# Altium PCB MOTHERBOARD.PcbDoc (part 1 of 4)
Units mm, origin at the board's own origin, x right, y up, seen from the top; angles counter-clockwise.
Board outline 187 x 77 mm, 4 copper layers (Top Layer, Layer 1, Layer 2, Bottom Layer), stack 1.57 mm thick; 266 components, 248 nets, 1158 pads, 1379 vias.
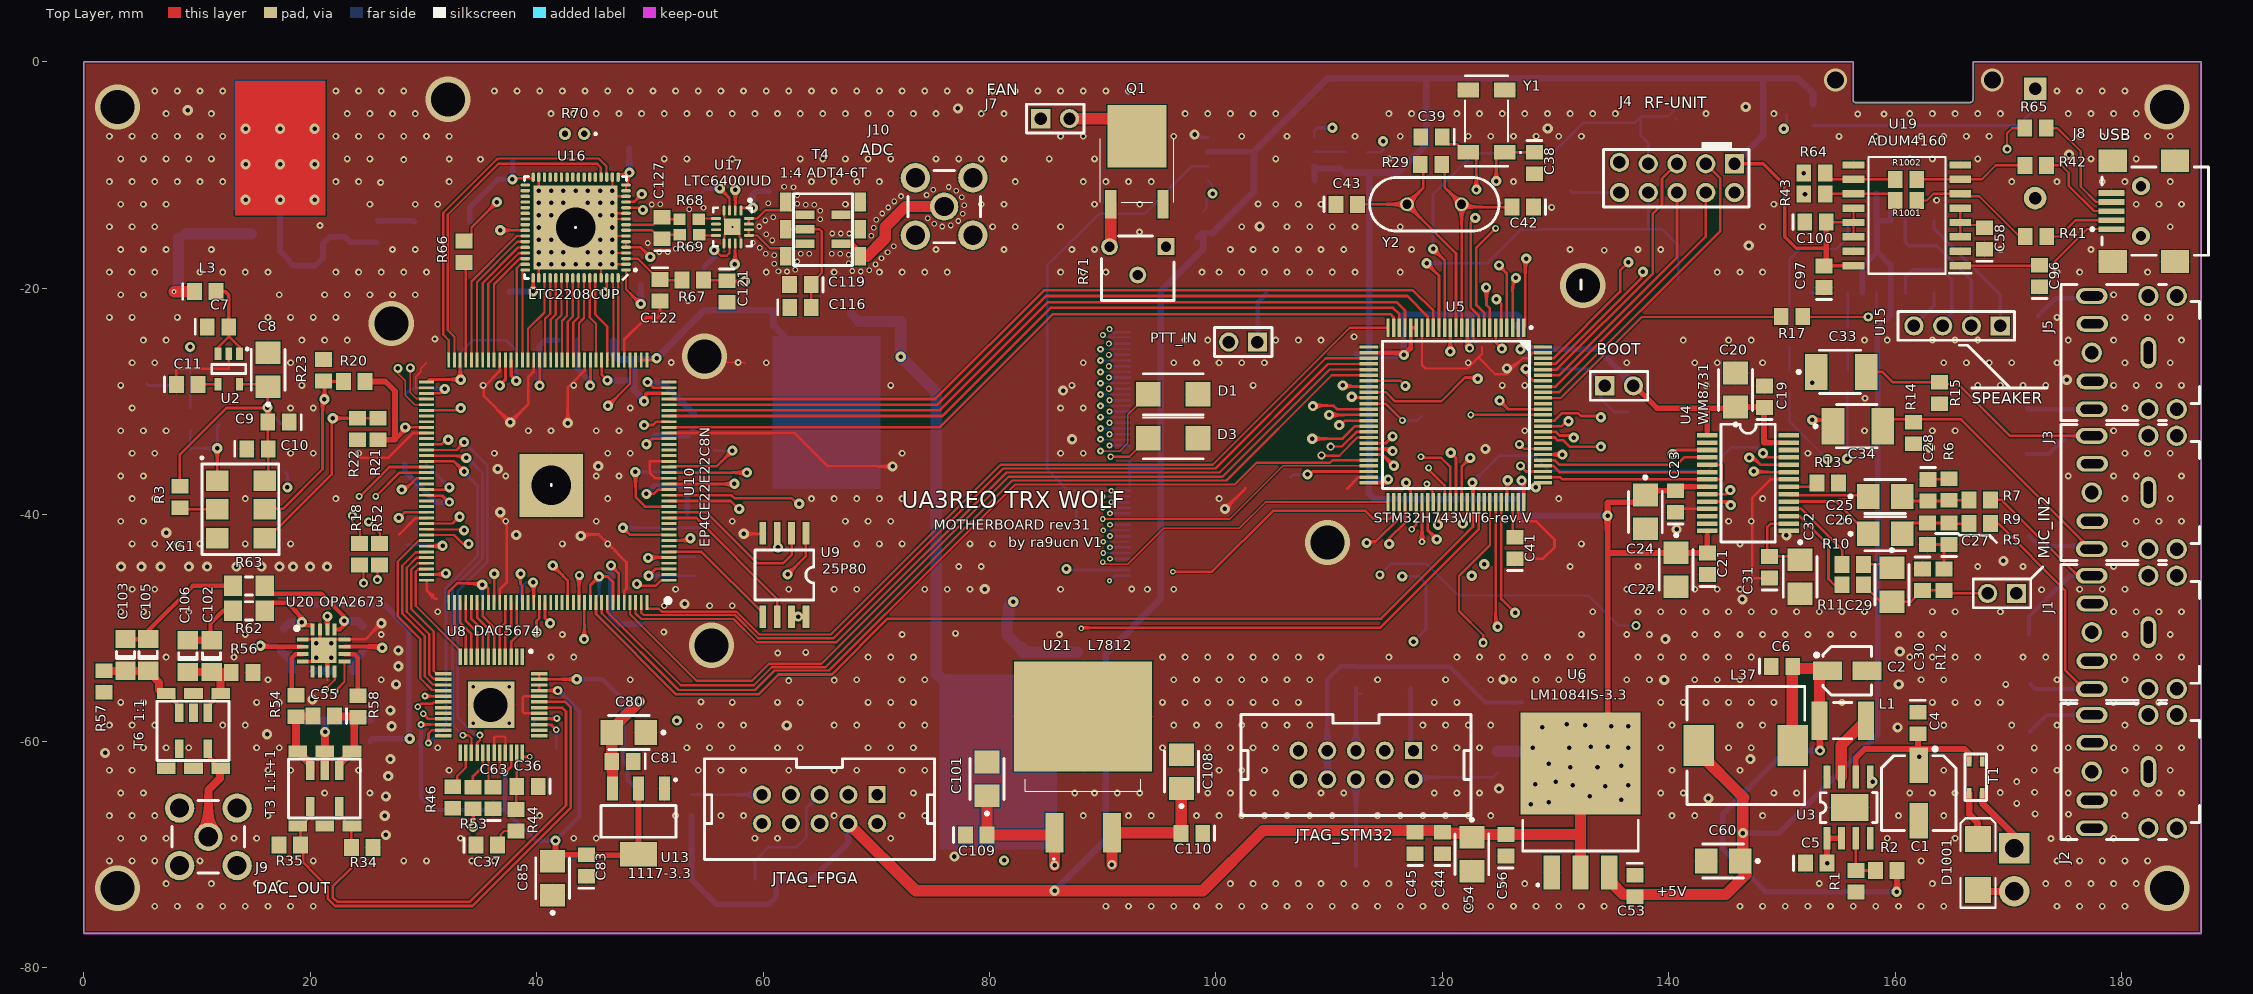
[diagram p0: Top Layer view]
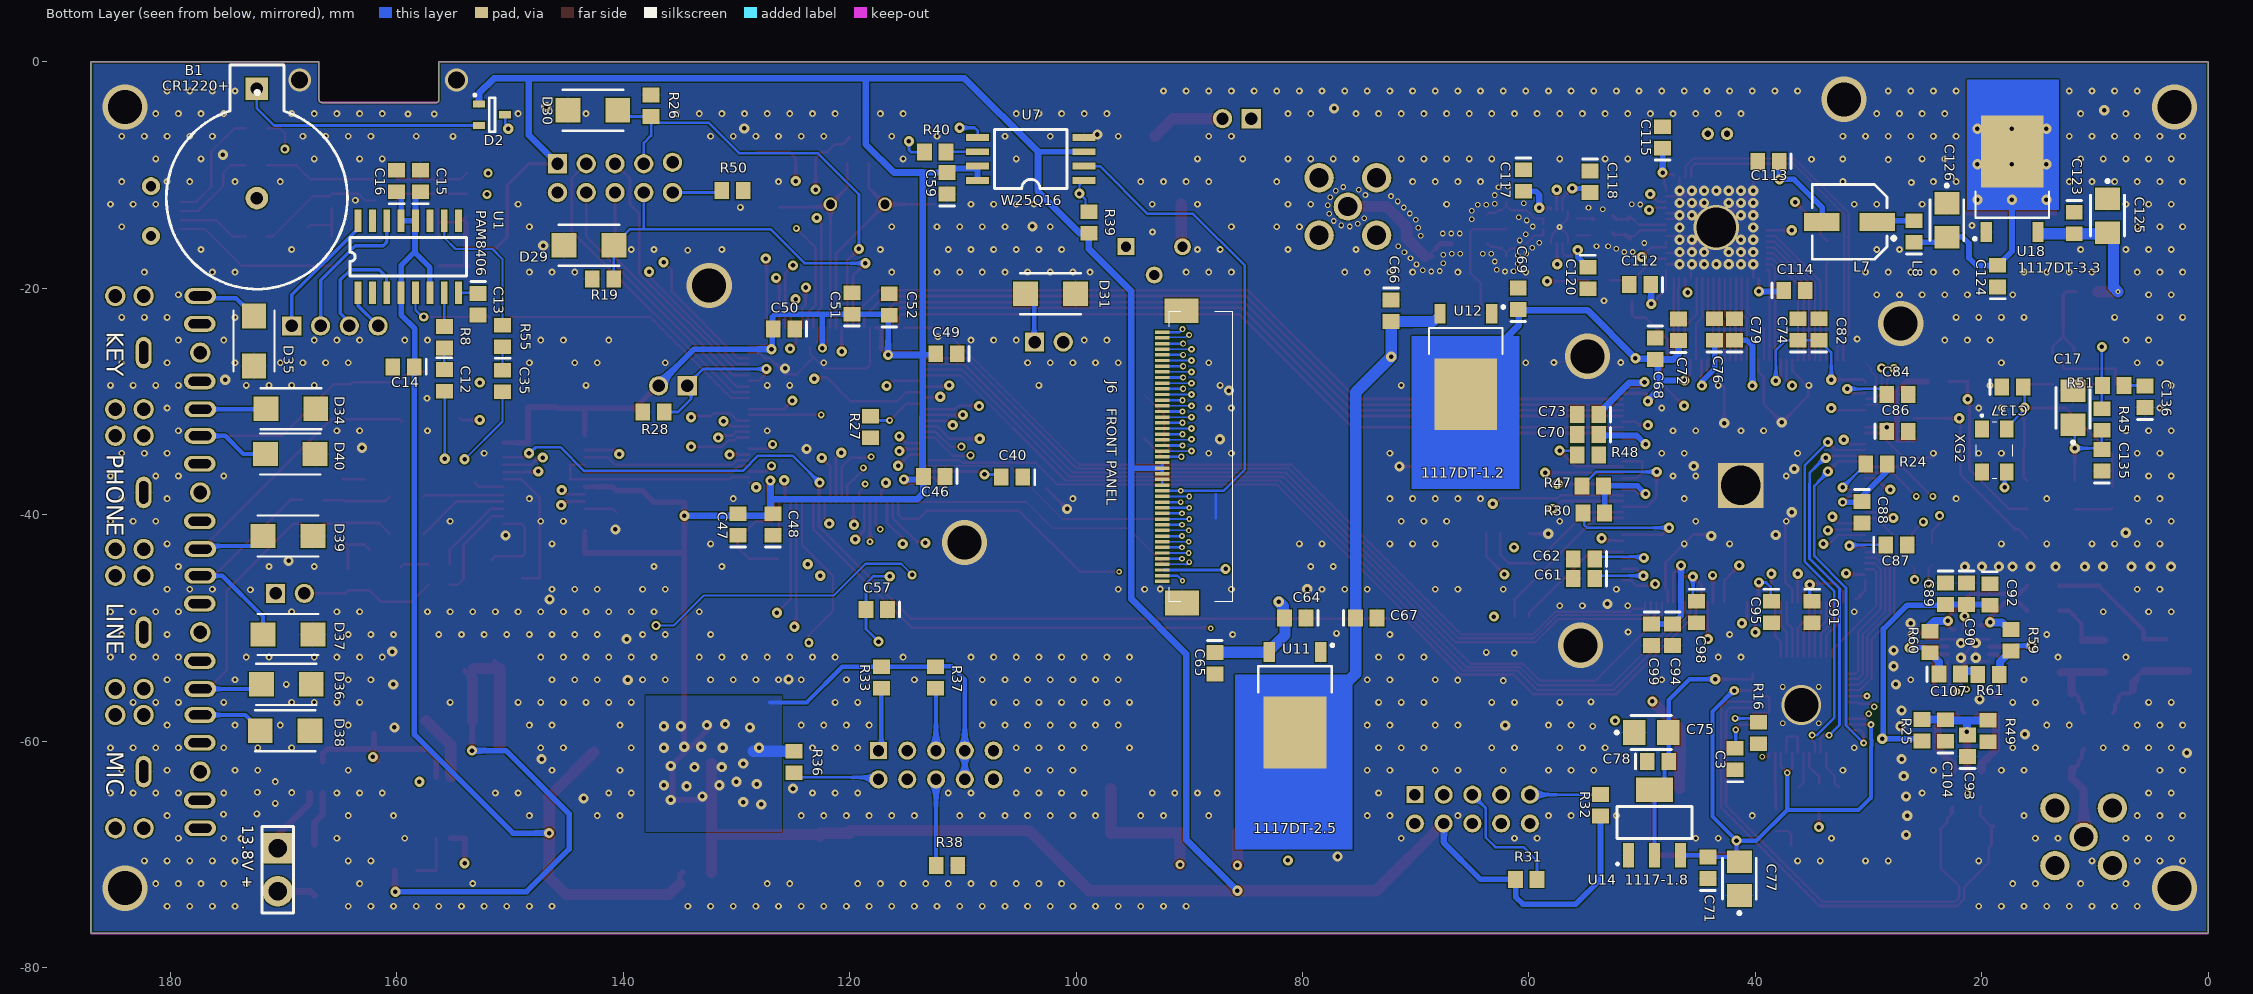
[diagram p1: Bottom Layer view, seen from below]
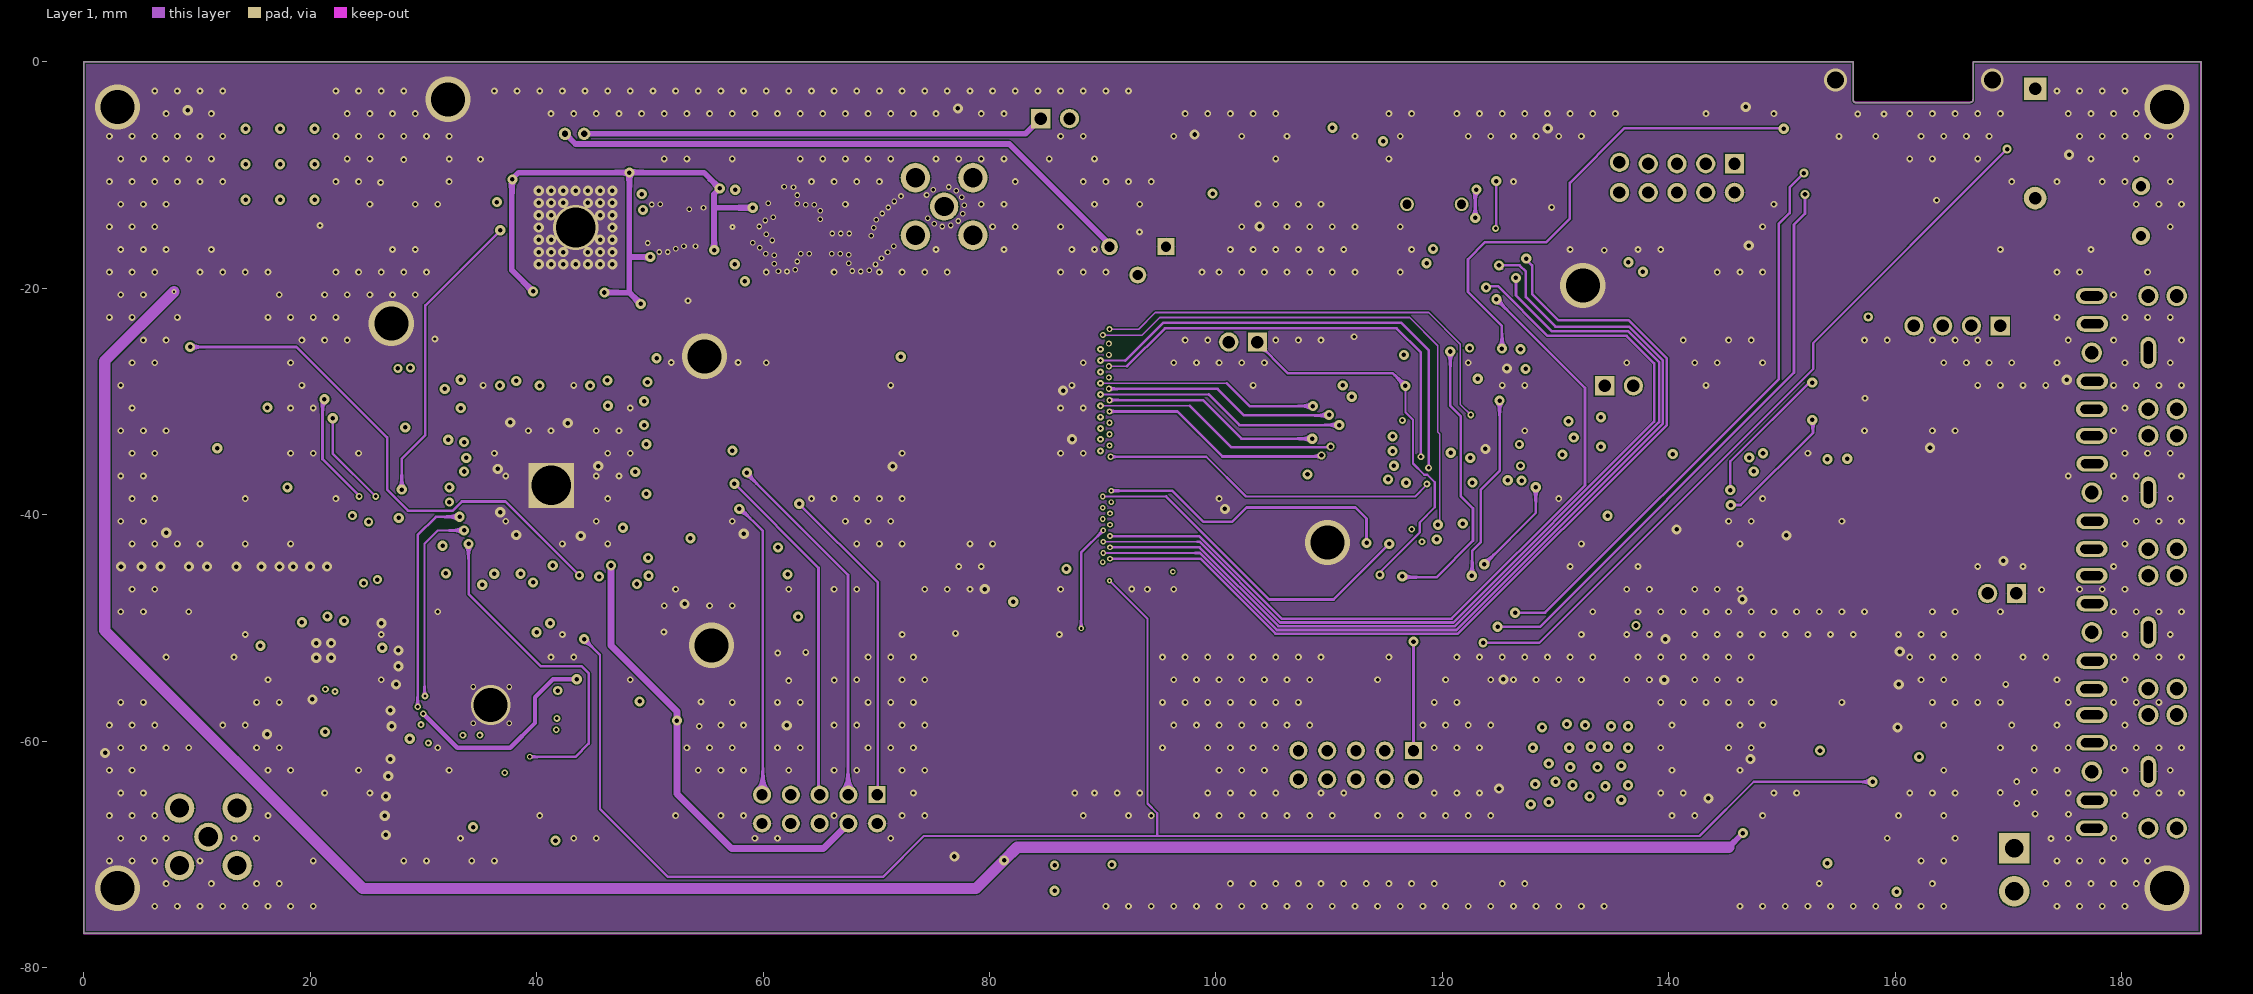
[diagram p2: Layer 1]
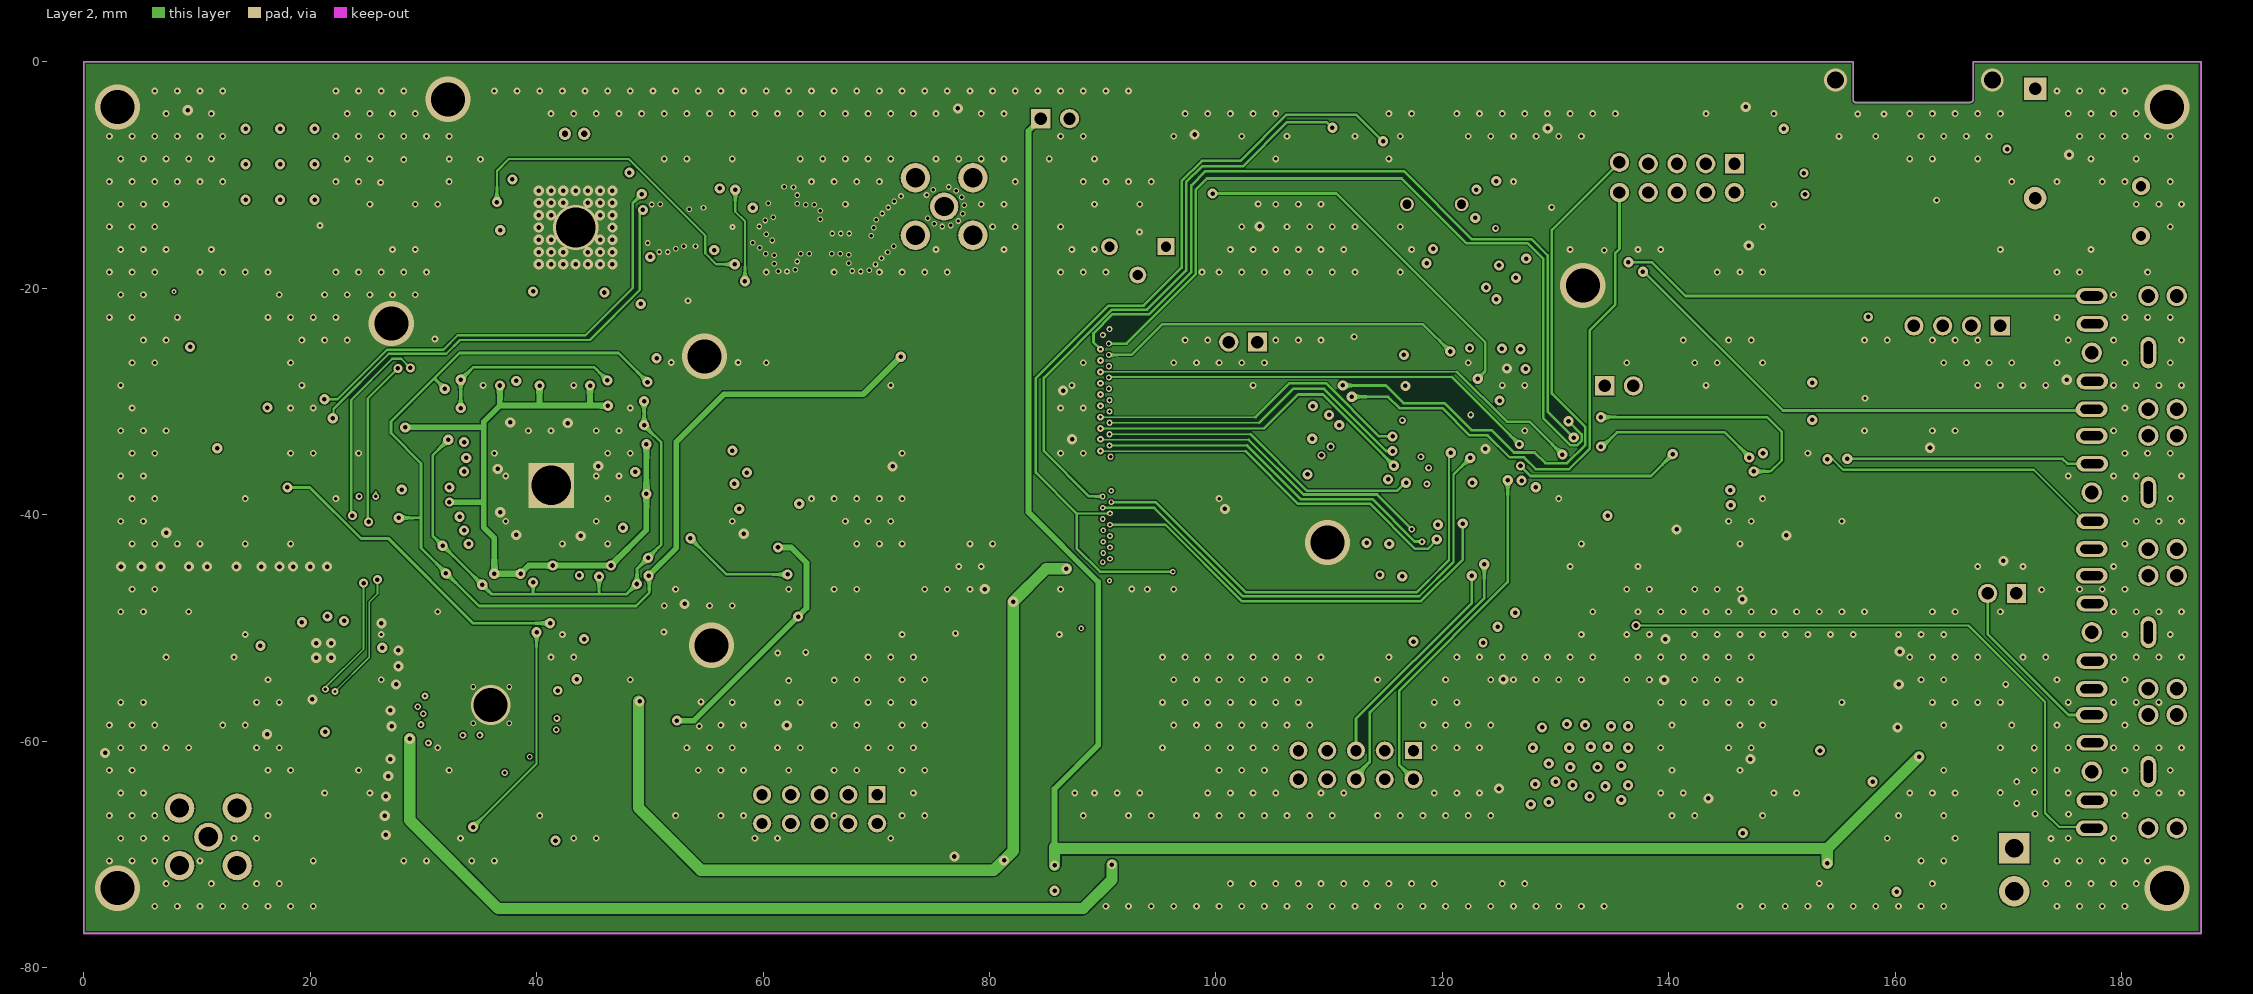
[diagram p3: Layer 2]

## Layer stack, top to bottom
Top Solder: solder mask 0.0102, Solder Resist, Dk 3.5
Top Layer: signal copper 0.035
Dielectric 2: dielectric 0.2, FR-4, Dk 4.1
Layer 1: signal copper 0.0175
FR4: dielectric 1.065, Dk 4.8
Layer 2: signal copper 0.0175
Dielectric3: dielectric 0.2, Dk 4.1
Bottom Layer: signal copper 0.035
Bottom Solder: solder mask 0.0102, Solder Resist, Dk 3.5

## Board outline
0,-77 0,0 156.275,0 156.275,-3.368 ccw(c156.525,-3.368) 156.525,-3.618 166.602,-3.618 166.62,-3.6 ccw(c166.62,-3.35) 166.87,-3.35 166.875,-3.345 166.875,0 187,0 187,-77

## Design rules (kind name [scope] priority, off if disabled: settings)
BoardOutlineClearance [All] p1: gap=0.2 ignorepadtopadclearanceinfootprint=FALSE
Clearance [All] p1: gap=0.102 ignorepadtopadclearanceinfootprint=FALSE except(0.127: Arc-Via Track-Via SMDPad-Via THPad-Via Via-Via Via-Fill Via-Poly Via-Region Via-Text; 0.25: Arc-Hole Track-Hole SMDPad-Hole THPad-Hole Via-Hole Fill-Hole Poly-Hole Region-Hole Text-Hole)
ComponentClearance [All] p1: gap=0.102 collisioncheckmode=3 verticalgap=0.102 showdistances=TRUE
DiffPairsRouting [All] p1: maxlimit=0.102 minlimit=0.102 mostfreqgap=0.102 toplayer_minwidth=0.102 toplayer_maxwidth=1816.048 toplayer_prefwidth=0.102 midlayer1_minwidth=0.102 midlayer1_maxwidth=1816.048 midlayer1_prefwidth=0.102 midlayer2_minwidth=0.102 midlayer2_maxwidth=1816.048 midlayer2_prefwidth=0.102 bottomlayer_minwidth=0.102 bottomlayer_maxwidth=1816.048 bottomlayer_prefwidth=0.102 maxuncoupledlength=12.7
Height [All] p1: minheight=0 maxheight=1816.048 prefheight=12.7
HoleSize [All] p1: absolutevalues=TRUE maxlimit=6.3 minlimit=0.2 maxpercent=80.000 minpercent=20.000
HoleToHoleClearance [All] p1: gap=0.25 allowstackedmicrovias=FALSE
MinimumAnnularRing [All] p1: minimumring=0.076
MinimumSolderMaskSliver [All] p1: minsoldermaskwidth=0
PlaneClearance [All] p1: clearance=0.102
PlaneConnect PlaneConnectPowerPads [InPadClass('PowerPads')] p1: planeconnectstyle=Direct reliefexpansion=0.508 reliefentries=4 reliefconductorwidth=0.254 reliefairgap=0.254
PlaneConnect [All] p2: pad.planeconnectstyle=Relief pad.reliefexpansion=0.3 pad.reliefentries=4 pad.reliefconductorwidth=0.102 pad.reliefairgap=0.102 via.planeconnectstyle=Direct via.reliefexpansion=0.3 via.reliefentries=4 via.reliefconductorwidth=0.127 via.reliefairgap=0.127
PolygonConnect PolygonConnectPowerPads [All vs (InPadClass('PowerPads'))] p1: connectstyle=Direct reliefconductorwidth=0.254 reliefentries=4 polygonreliefangle="90 Angle" airgapwidth=0.254
PolygonConnect [All] p2: thpad.connectstyle=Relief thpad.reliefconductorwidth=0.102 thpad.reliefentries=4 thpad.polygonreliefangle="90 Angle" thpad.airgapwidth=0.102 smdpad.connectstyle=Relief smdpad.reliefconductorwidth=0.102 smdpad.reliefentries=4 smdpad.polygonreliefangle="90 Angle" smdpad.airgapwidth=0.102 via.connectstyle=Direct via.reliefconductorwidth=0.127 via.reliefentries=4 via.polygonreliefangle="90 Angle" via.airgapwidth=0.127
RoomDefinition STM32 [InComponentClass('STM32')] p1: confinementstyle=ConfineIn formatcopy=TRUE lockcomponents=FALSE outline -47.719,-124.592 3.081,-124.592 3.081,-99.192 -47.719,-99.192
RoomDefinition POWER [InComponentClass('POWER')] p2: confinementstyle=ConfineIn formatcopy=TRUE lockcomponents=FALSE outline -47.719,-124.592 3.081,-124.592 3.081,-99.192 -47.719,-99.192
RoomDefinition DAC [InComponentClass('DAC')] p3: confinementstyle=ConfineIn formatcopy=TRUE lockcomponents=FALSE outline -47.719,-124.592 3.081,-124.592 3.081,-99.192 -47.719,-99.192
RoomDefinition CONNECTIONS [InComponentClass('CONNECTIONS')] p4: confinementstyle=ConfineIn formatcopy=TRUE lockcomponents=FALSE outline -47.719,-124.592 3.081,-124.592 3.081,-99.192 -47.719,-99.192
RoomDefinition CLOCK_GENERATOR [InComponentClass('CLOCK_GENERATOR')] p5: confinementstyle=ConfineIn formatcopy=TRUE lockcomponents=FALSE outline -47.719,-124.592 3.081,-124.592 3.081,-99.192 -47.719,-99.192
RoomDefinition "AUDIO CODEC" [InComponentClass('AUDIO CODEC')] p6: confinementstyle=ConfineIn formatcopy=TRUE lockcomponents=FALSE outline -47.719,-124.592 3.081,-124.592 3.081,-99.192 -47.719,-99.192
RoomDefinition ADC [InComponentClass('ADC')] p7: confinementstyle=ConfineIn formatcopy=TRUE lockcomponents=FALSE outline -47.719,-124.592 3.081,-124.592 3.081,-99.192 -47.719,-99.192
RoomDefinition FPGA [InComponentClass('FPGA')] p8: confinementstyle=ConfineIn formatcopy=TRUE lockcomponents=FALSE outline -47.719,-124.592 3.081,-124.592 3.081,-99.192 -47.719,-99.192
RoutingVias [All] p1: holewidth=0.2 width=0.45 viastyle="Through Hole" minholewidth=0.2 minwidth=0.45 maxholewidth=6.3 maxwidth=6.55
SilkToSilkClearance [All] p1: silktosilkclearance=0
SilkToSolderMaskClearance [IsPad] p1: minsilkscreentomaskgap=0 clearancetoexposedcopper=TRUE
SolderMaskExpansion [All] p1: expansion=0.075 istentingtop=FALSE
Width [All] p1: maxlimit=1816.048 minlimit=0.102 preferedwidth=0.102
20 further rules are at their usual default settings.

## Classes and differential pairs
component class STM32: B1 BOOT C38 C39 C40 C41 C42 C43 C51 C52 C57 C59 D2 JTAG_STM32 R27 R28 R29 R33 R36 R37 R38 R39 R40 U5 U7 Y1 Y2
component class POWER: "13.8V +" C1 C2 C4 C5 C6 C44 C45 C46 C47 C48 C49 C50 C53 C54 C56 C60 C64 C65 C66 C67 C68 C69 C101 C108 C109 C110 D1001 L1 L37 R1 R2 T1 U3 U6 U11 U12 U21
component class FPGA: C61 C62 C70 C72 C73 C74 C76 C79 C82 C84 C86 C87 C88 C91 C94 C95 C98 C99 JTAG_FPGA R24 R30 R31 R32 R47 R48 U9 U10
component class CONNECTIONS: C58 C96 C97 C100 D1 D3 D29 D30 D31 D34 D35 J4 J5 J6 J8 PTT_IN R19 R26 R41 R42 R43 R50 R64 R65 R1001 R1002 U19
component class CLOCK_GENERATOR: C7 C8 C9 C10 C11 C17 C135 C136 C137 L3 R3 R20 R21 R22 R23 R45 R51 U2 XG1 XG2
component class "AUDIO CODEC": C12 C13 C14 C15 C16 C19 C20 C21 C22 C23 C24 C25 C26 C27 C28 C29 C30 C31 C32 C33 C34 C35 D36 D37 D38 D39 D40 J1 J2 J3 MIC_IN2 MI§і_IN2 R5 R6 R7 R8 R9 R10 R11 R12 R13 R14 R15 R17 R55 U1 U4 U15
component class ADC: C112 C113 C114 C115 C116 C117 C118 C119 C120 C121 C122 C123 C124 C125 C126 C127 J7 J10 L7 L8 Q1 R66 R67 R68 R69 R70 R71 T4 U16 U17 U18
component class DAC: C3 C36 C37 C55 C63 C71 C75 C77 C78 C80 C81 C83 C85 C89 C90 C92 C93 C102 C103 C104 C105 C106 C107 J9 R16 R18 R25 R34 R35 R44 R46 R49 R52 R53 R54 R56 R57 R58 R59 R60 R61 R62 R63 T3 T6 U8 U13 U14 U20

## Components (designator, comment, footprint, x,y, rotation, side; value= is the part's Value field where it differs from the comment)
"13.8V +" "JX2" JX2 170.5,-71.375 r270 bottom
B1 "CR1220+" KLS5-CR1220-01 172.349,-12.054 r270 bottom value=CR1220
BOOT "" 51022-0200 135.6,-28 r0 top
C1 "4.7uF 16V" CAPAE_6.6x6.6h5.4 162.067,-64.514 r270 top
C2 "22uF 10V" CAPAE_4.3x4.3h5.4#1 155.75,-53.8 r0 top
C3 "100n" CAP_0805 41.8,-61.8 r90 bottom
C4 "100n" CAP_0805 162,-58.2 r270 top
C5 "100n" CAP_0805 152.819,-70.796 r0 top
C6 "100n" CAP_0805 149.8,-53.4 r0 top
C7 "1uF" CAP_0805 11.659,-23.428 r0 top
C8 "10uF 10V" CAPAE_4.3x4.3h5.4#2 16.3,-27.618 r90 top
C9 "100n" CAP_0805 17.421,-31.841 r180 top
C10 "470p" CAP_0805 15.15,-34.2 r0 top
C11 "1uF" CAP_0805 8.958,-28.505 r0 top
C12 "1uF" CAP_0805 155.8,-27.95 r270 bottom
C13 "1uF" CAP_0805 152.8,-21.225 r270 bottom
C14 "1uF" CAP_0805 159.189,-26.955 r0 bottom
C15 "1uF" CAP_0805 157.9,-10.75 r90 bottom
C16 "100n" CAP_0805 160,-10.75 r90 bottom
C17 "10uF 10V" CAPAE_4.3x4.3h5.4#2 11.954,-30.975 r90 bottom
C19 "100n" CAP_0805 148.45,-29.8 r90 top
C20 "10uF 10V" CAPAE_4.3x4.3h5.4#2 145.9,-29.4 r90 top
C21 "100n" CAP_0805 143.4,-44.55 r90 top
C22 "10uF 10V" CAPAE_4.3x4.3h5.4#2 140.65,-44.475 r270 top
C23 "100n" CAP_0805 140.6,-39.05 r90 top
C24 "10uF 10V" CAPAE_4.3x4.3h5.4#2 137.922,-39.37 r270 top
C25 "1uF 10V" CAPAE_4.3x4.3h5.4#2 158.7,-38.4 r0 top
C26 "1uF 10V" CAPAE_4.3x4.3h5.4#2 158.7,-41.7 r0 top
C27 "220p" CAP_0805 164.75,-41.9 r90 top
C28 "220p" CAP_0805 162.9,-37.65 r270 top
C29 "1uF 10V" CAPAE_4.3x4.3h5.4#2 159.7,-45.8 r270 top
C30 "220p" CAP_0805 162.4,-45.55 r270 top
C31 "100n" CAP_0805 148.9,-44.85 r90 top
C32 "10uF 10V" CAPAE_4.3x4.3h5.4#2 151.6,-45.1 r270 top
C33 "220uF 10V" EEEFC_sizeС 154.125,-27.4 r0 top
C34 "220uF 10V" EEEFC_sizeС 155.6,-32.2 r0 top
C35 "1uF" CAP_0805 150.65,-28 r270 bottom
C36 "NONE" CAP_0805 39.4,-64 r180 top
C37 "2.7n" CAP_0805 35.4,-69.2 r0 top
C38 "6pF" CAP_0805 128.125,-8.75 r270 top
C39 "6pF" CAP_0805 119.25,-6.65 r180 top
C40 "10uF" CAP_0805 105.449,-36.7 r0 bottom
C41 "10uF" CAP_0805 126.4,-43.15 r90 top
C42 "22p" CAP_0805 127.3,-12.85 r180 top
C43 "22p" CAP_0805 111.35,-12.6 r0 top
C44 "100n" CAP_0805 120,-69.2 r90 top
C45 "100n" CAP_0805 117.6,-69.2 r90 top
C46 "100n" CAP_0805 112.325,-36.625 r0 bottom
C47 "100n" CAP_0805 129.85,-41.075 r90 bottom
C48 "100n" CAP_0805 126.775,-41.075 r90 bottom
C49 "100n" CAP_0805 111.25,-25.8 r0 bottom
C50 "10uF" CAP_0805 125.6,-23.6 r0 bottom value=1uF
C51 "100n" CAP_0805 119.8,-21.55 r90 bottom
C52 "10uF" CAP_0805 116.5,-21.65 r90 bottom
C53 "100n" CAP_0805 137,-72.6 r270 top
C54 "10uF 10V" CAPAE_4.3x4.3h5.4#2 122.6,-69.6 r270 top
C55 "7.5p" CAP_0805 21.4,-57.8 r180 top
C56 "100n" CAP_0805 125.6,-69.4 r90 top
C57 "100n" CAP_0805 117.4,-48.375 r0 bottom
C58 "100n" CAP_0805 167.875,-15.825 r90 top
C59 "100n" CAP_0805 111.395,-10.945 r90 bottom
C60 "10uF 10V" CAPAE_4.3x4.3h5.4#2 145.2,-70.6 r180 top
C61 "100n" CAP_0805 54.95,-45.65 r0 bottom
C62 "100n" CAP_0805 54.95,-43.925 r0 bottom
C63 "10n" CAP_0805 36.15,-65.225 r90 top
C64 "10uF" CAP_0805 80.45,-49.125 r0 bottom
C65 "100n" CAP_0805 87.75,-52.925 r270 bottom
C66 "10uF" CAP_0805 72.175,-21.8 r270 bottom
C67 "100n" CAP_0805 74.575,-49.125 r180 bottom
C68 "10uF" CAP_0805 48.85,-25.15 r270 bottom
C69 "100n" CAP_0805 60.95,-21.15 r90 bottom
C70 "100n" CAP_0805 54.6,-32.95 r0 bottom
C71 "100n" CAP_0805 44.2,-71.4 r90 bottom
C72 "100n" CAP_0805 46.8,-23.875 r90 bottom
C73 "100n" CAP_0805 54.6,-31.175 r0 bottom
C74 "100n" CAP_0805 36.241,-23.849 r90 bottom
C75 "10uF 10V" CAPAE_4.3x4.3h5.4#2 49.598,-59.251 r180 bottom
C76 "100n" CAP_0805 43.634,-23.851 r90 bottom
C77 "10uF 10V" CAPAE_4.3x4.3h5.4#2 41.425,-72.55 r90 bottom
C78 "100n" CAP_0805 48.8,-61.8 r180 bottom
C79 "100n" CAP_0805 41.851,-23.849 r90 bottom
C80 "10uF 10V" CAPAE_4.3x4.3h5.4#2 48.55,-59.25 r180 top
C81 "100n" CAP_0805 47.8,-61.8 r180 top
C82 "100n" CAP_0805 34.378,-23.849 r90 bottom
C83 "100n" CAP_0805 44.4,-71.2 r90 top
C84 "100n" CAP_0805 27.658,-29.385 r180 bottom
C85 "10uF 10V" CAPAE_4.3x4.3h5.4#2 41.425,-72.525 r90 top
C86 "100n" CAP_0805 27.658,-32.648 r180 bottom
C87 "100n" CAP_0805 27.755,-42.674 r180 bottom
C88 "100n" CAP_0805 30.6,-39.6 r270 bottom
C89 "100n" CAP_0805 23.209,-46.801 r270 bottom
C90 "470p" CAP_0805 21.35,-46.8 r270 bottom
C91 "100n" CAP_0805 35,-48.4 r270 bottom
C92 "1uF" CAP_0805 19.3,-46.85 r270 bottom
C93 "100n" CAP_0805 21.275,-60.625 r90 bottom
C94 "100n" CAP_0805 47.311,-50.421 r270 bottom
C95 "100n" CAP_0805 38.6,-48.4 r270 bottom
C96 "100n" CAP_0805 172.75,-19.125 r90 top
C97 "100n" CAP_0805 153.7,-19.2 r90 top
C98 "100n" CAP_0805 45.2,-48.4 r270 bottom
C99 "100n" CAP_0805 49.177,-50.421 r270 bottom
C100 "100n" CAP_0805 152.75,-14.175 r0 top
C101 "10uF 20V" CAPAE_4.3x4.3h5.4#2 79.775,-63.75 r90 top
C102 "1uF" CAP_1206 11.3,-52.5 r90 top
C103 "1uF" CAP_1206 3.7,-52.4 r90 top
C104 "470p" CAP_0805 23.225,-59.275 r90 bottom
C105 "680p" CAP_1206 5.7,-52.4 r90 top
C106 "680p" CAP_1206 9.2,-52.5 r90 top
C107 "100n" CAP_0805 23.05,-54.1 r180 bottom
C108 "10uF 20V" CAPAE_4.3x4.3h5.4#2 96.95,-63.1 r90 top
C109 "100n" CAP_0805 78.625,-68.3 r0 top
C110 "100n" CAP_0805 98.075,-68.15 r180 top
C112 "100n" CAP_0805 50,-19.7 r0 bottom
C113 "100n" CAP_0805 38.65,-8.8 r0 bottom
C114 "100n" CAP_0805 36.75,-20.2 r180 bottom
C115 "100n" CAP_0805 48.2,-6.9 r90 bottom
C116 "470p" CAP_0805 63.1,-21.7 r0 top
C117 "100n" CAP_0805 60.5,-10.3 r270 bottom
C118 "100n" CAP_0805 54.6,-10.4 r270 bottom
C119 "1uF" CAP_0805 63.5,-19.7 r180 top
C120 "100n" CAP_0805 54.8,-18.9 r270 bottom
C121 "1uF" CAP_0805 56.8,-20.1 r270 top
C122 "1uF" CAP_0805 50.9,-20 r270 top
C123 "100n" CAP_0805 11.846,-14.05 r270 bottom
C124 "100n" CAP_0805 18.604,-19.146 r90 bottom
C125 "22uF 10V" CAPAE_4.3x4.3h5.4#2 8.895,-13.202 r270 bottom
C126 "22uF 10V" CAPAE_4.3x4.3h5.4#2 23.1,-13.6 r270 bottom
C127 "10p" CAP_0805 51.1,-14.9 r90 top
C135 "100n" CAP_0805 9.4,-35.4 r90 bottom
C136 "8.2n" CAP_0805 5.6,-29.8 r90 bottom
C137 "10n" CAP_0805 17.5,-28.75 r180 bottom
D1 "SMAJ5.0A-TR" SMBJ36CATR 96.225,-29.375 r0 top
D2 "BAT54C" BAT54C 151.6,-4.475 r180 bottom
D3 "SMAJ5.0A-TR" SMBJ36CATR 96.225,-33.25 r0 top
D29 "SMAJ5.0A-TR" SMBJ36CATR 143.025,-16.225 r0 bottom
D30 "SMAJ5.0A-TR" SMBJ36CATR 142.675,-4.3 r0 bottom
D31 "SMAJ5.0A-TR" SMBJ36CATR 102.25,-20.5 r180 bottom
D34 "SMAJ5.0A-TR" SMBJ36CATR 169.35,-30.65 r180 bottom
D35 "SMAJ5.0A-TR" SMBJ36CATR 172.6,-24.675 r270 bottom
D36 "SMAJ5.0A-TR" SMBJ36CATR 169.75,-55 r180 bottom
D37 "SMAJ5.0A-TR" SMBJ36CATR 169.6,-50.6 r180 bottom
D38 "SMAJ5.0A-TR" SMBJ36CATR 169.85,-59.1 r180 bottom
D39 "SMAJ5.0A-TR" SMBJ36CATR 169.6,-41.9 r180 bottom
D40 "SMAJ5.0A-TR" SMBJ36CATR 169.4,-34.65 r180 bottom
D1001 "SS34" SMB 167.3,-70.925 r90 top
J1 "SJ1-3525NG" SJ1-3525NG 181.839,-50.4 r180 top value=LINE_IN
J2 "SJ1-3525NG" SJ1-3525NG 181.839,-62.7 r180 top value=MIC_IN
J3 "SJ1-3525NG" SJ1-3525NG 181.839,-38.05 r180 top value=PHONE_OUT
J4 "RF-UNIT" 90131-0126 141.99,-10.29 r180 top
J5 "SJ1-3525NG" SJ1-3525NG 181.839,-25.7 r180 top value=KEY_IN
J6 "FPC-45P-0.5mm" FH12S45S05SH60 91.75,-34.9 r90 bottom
J7 "FAN" 51022-0200 85.8,-4.4 r0 top